# KiCad board transistor_clock.kicad_pcb (continued)
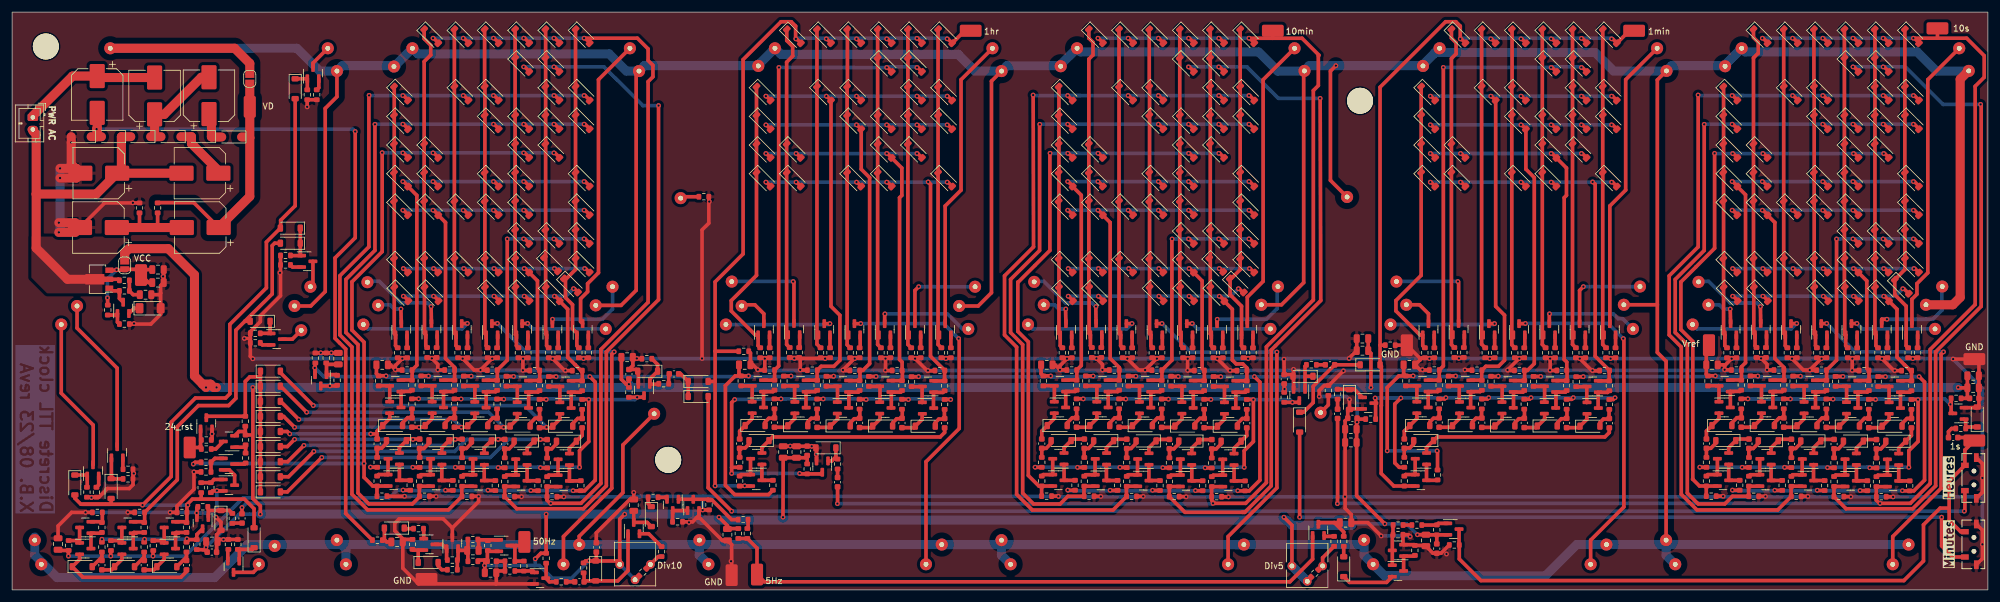
[diagram p0: board, top side]
## Routing (per net, layer and track width the routed paths; a pad name or vN(x,y) marks a point on that pad's centre or on a via; arc(x,y) is an arc through that point) (continued)
Net-(Q123-G): length 4
  Top w0.6: Q123.1 16.51,49.55 R255.1 17.76,48.3 Q124.3
Net-(Q124-B): length 3.6
  Top w0.6: R253.2 17.19,45.55 Q124.1 17.44,44.38 R254.1
Net-(Q126-B): length 4.1
  Top w0.6: Q127.3 71.17,7.55 Q126.1 71.91,5.08 R259.1
Net-(Q126-E): length 8.3
  Top w0.6: R261.2 R259.2 73.81,5.08 73.81,6.81 74.07,6.55 C78.2 ; 75.44,8.15 75.44,4.95
Net-(Q127-B): length 1.7
  Top w0.6: R258.2 68.12,10.11 Q127.1
Net-(Q128-B): length 5.2
  Top w0.6: C78.1 77.21,8.03 77.09,8.15 77.24,8.3 Q128.1
Net-(Q131-B): length 4.5
  Top w0.6: 234.09,18.17 234.09,20.8 ; Q132.3 235.85,18.16 R275.1
Net-(Q131-C): length 4.5
  Top w0.6: 232.21,21.75 232.21,19.12 230.65,19.12 230.4,18.88
Net-(Q133-B): length 4.4
  Top w0.6: Q133.1 Q134.3 230.68,33.81 R279.1
Net-(Q133-C): length 4.5
  Top w0.6: Q133.3 Q134.1 235.93,32.86 R277.1
Net-(Q135-B): length 4.4
  Top w0.6: 237.71,33.81 239.51,33.81 239.51,31.18
Net-(Q135-C): length 4.5
  Top w0.6: 243.2,33.11 242.96,32.86 241.39,32.86 241.39,30.23
Net-(Q137-B): length 4.4
  Top w0.6: 246.61,31.1 246.61,33.73 244.81,33.73 244.8,33.73
Net-(Q137-C): length 4.5
  Top w0.6: 250.3,33.03 250.06,32.78 248.49,32.78 248.49,30.15
Net-(Q139-B): length 4.4
  Top w0.6: 253.64,31.1 253.64,33.73 251.83,33.73 251.83,33.73
Net-(Q139-C): length 4.5
  Top w0.6: 255.51,30.15 255.51,32.78 257.08,32.78 257.32,33.03
Net-(Q141-B): length 4.4
  Top w0.6: 258.81,33.68 260.61,33.68 260.61,31.05
Net-(Q141-C): length 4.5
  Top w0.6: 262.49,30.1 262.49,32.73 264.06,32.73 264.3,32.98
Net-(Q143-B): length 4.4
  Top w0.6: 124.09,20.8 124.09,18.17 125.9,18.17 125.9,18.17
Net-(Q143-C): length 4.5
  Top w0.6: 120.4,18.87 120.65,19.12 122.21,19.12 122.21,21.75
Net-(Q145-B): length 4.4
  Top w0.6: 120.68,33.8 120.68,33.81 122.49,33.81 122.49,31.18
Net-(Q145-C): length 4.5
  Top w0.6: 126.18,33.1 125.93,32.86 124.36,32.86 124.36,30.23
Net-(Q147-B): length 4.4
  Top w0.6: 129.51,31.18 129.51,33.81 127.71,33.81
Net-(Q147-C): length 4.5
  Top w0.6: 131.39,30.23 131.39,32.86 132.96,32.86 133.2,33.1
Net-(Q149-B): length 4.4
  Top w0.6: 136.61,31.09 136.61,33.73 134.81,33.73 134.8,33.72
Net-(Q149-C): length 4.5
  Top w0.6: 138.49,30.15 138.49,32.78 140.06,32.78 140.3,33.02
Net-(Q151-B): length 4.4
  Top w0.6: 143.64,31.09 143.64,33.73 141.83,33.73 141.83,33.72
Net-(Q151-C): length 4.5
  Top w0.6: 145.51,30.15 145.51,32.78 147.08,32.78 147.33,33.02
Net-(Q153-B): length 4.4
  Top w0.6: 148.81,33.68 150.61,33.68 150.61,31.05
Net-(Q153-C): length 4.5
  Top w0.6: 154.3,32.97 154.06,32.73 152.49,32.73 152.49,30.09
Net-(Q156-B): length 4.5
  Top w0.6: R326.1 17.8,8.18 Q156.1 Q157.3
Net-(Q156-C): length 4.4
  Top w0.6: R324.1 20.18,9.53 Q157.1 Q156.3
Net-(R235-Pad2): length 2.4
  Top w0.6: R235.2 106.94,5.53 RV1.3
Net-(R237-Pad1): length 1.4
  Top w0.6: R237.1 R249.2
Net-(R238-Pad1): length 1.5
  Top w0.6: R241.2 121.81,10.3 R238.1
Net-(R243-Pad2): length 4
  Top w0.6: R243.2 216.89,5.33 RV2.3

## Copper pours and planes (outline as drawn; the poured copper is in the pictures)
/PSU/12V_unreg on Top: 15.39,53.55 18.99,57.15 19.19,57.15 19.19,58.55 3.19,58.55 3.19,51.75 5.79,49.15 15.19,49.15 15.39,49.35
GND on Top, Bottom: -1.41,96.55 328.59,96.55 328.59,-3.45 -1.41,-3.45

## Text on the board
Bottom: Discrete TTL clock / X.B. 08/23 revA
B.Silkscreen: JLCJLCJLCJLC
